# KiCad board rev6.0_flat_powerstage.kicad_pcb (continued)
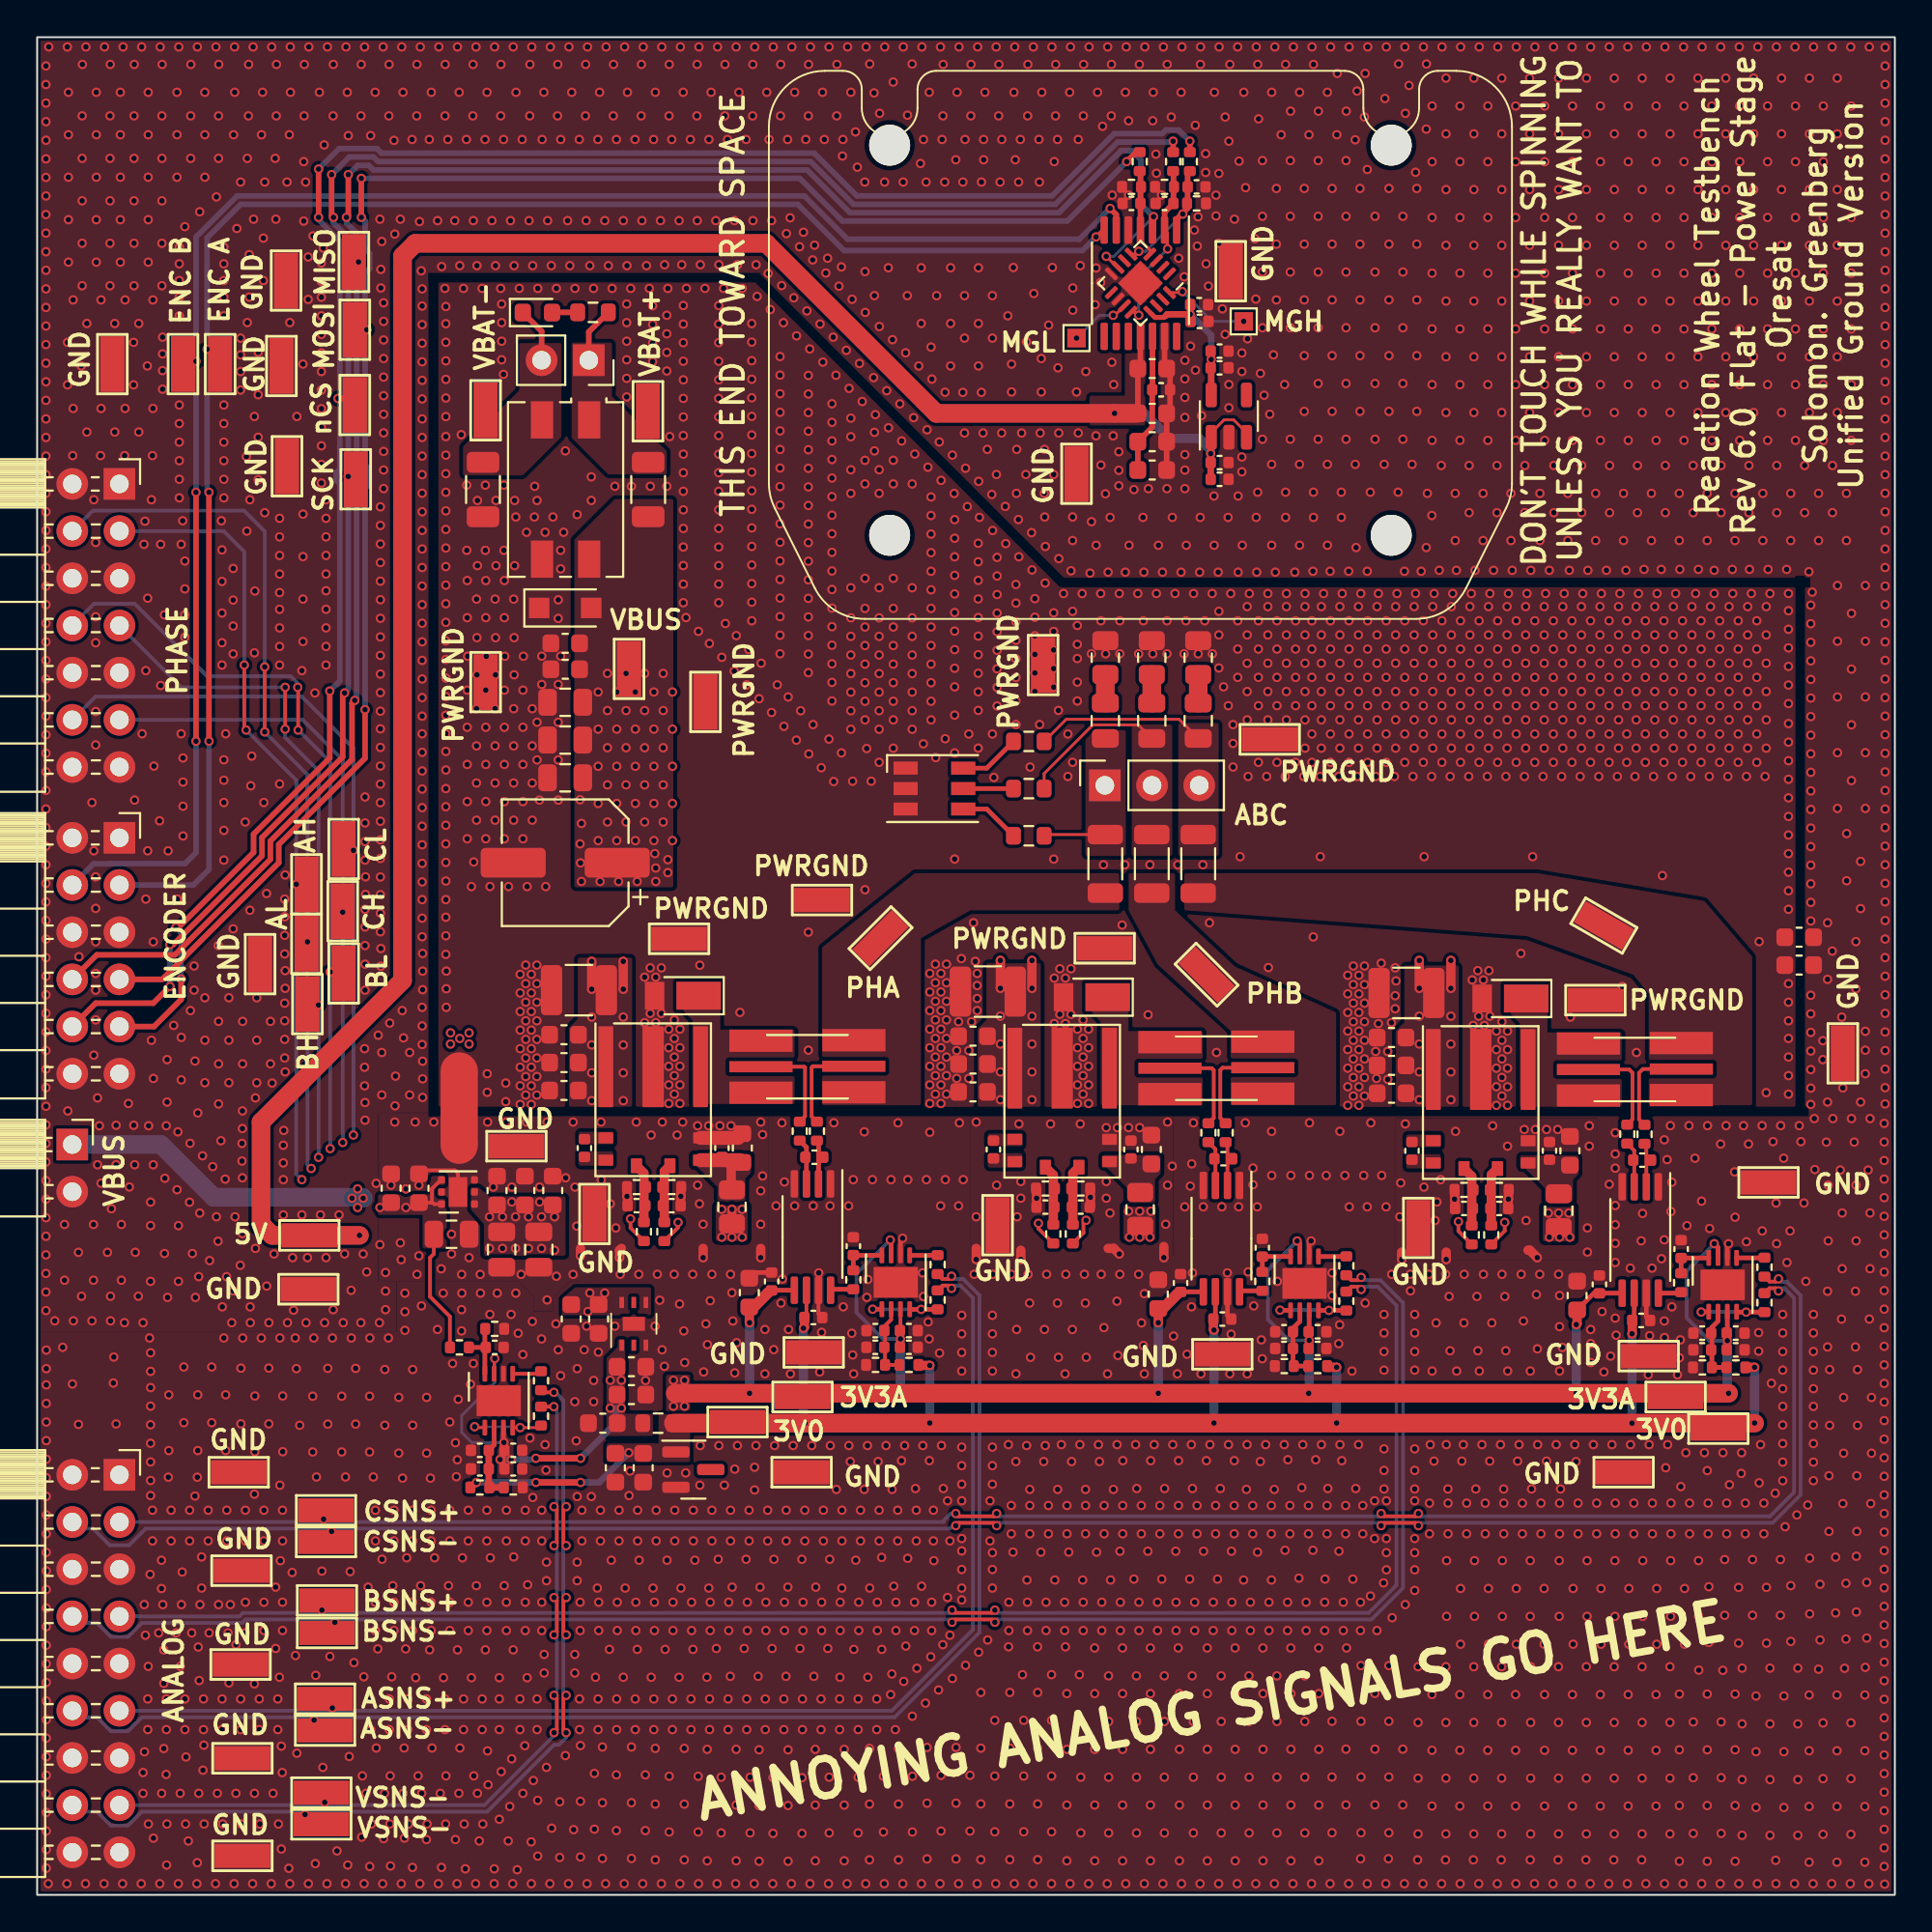
[diagram p0: board, top side]
## Routing (per net, layer and track width the routed paths; a pad name or vN(x,y) marks a point on that pad's centre or on a via; arc(x,y) is an arc through that point) (continued)
v1(36.23,15.75) v1(36.23,14.23) v1(36.32,33.41) v1(36.32,20.7) v1(36.32,19.05) v1(36.53,90.12) v1(36.56,13.26) v1(36.6,0.6) v1(36.62,99.47) v1(36.7,24.18) v1(36.66,18.06) v1(36.7,87.75) v1(36.75,41.4) v1(36.82,6.33) v1(36.82,3.33) v1(36.99,22.05) v1(37.03,98.53) v1(37.01,95.76) v1(37.16,94.49) v1(37.19,10.55) v1(37.19,8.89) v1(37.23,15.75) v1(37.23,14.23) v1(37.35,41.4) v1(37.32,33.41) v1(37.4,32.41) v1(37.32,20.7) v1(37.32,19.05) v1(37.31,11.76) v1(37.45,30.89) v1(37.41,16.56) v1(37.53,90.12) v1(37.55,28.1) v1(37.55,22.91) v1(37.6,0.6) v1(37.62,99.47) v1(37.65,29.72) v1(37.7,24.18) v1(37.63,7.83) v1(37.63,4.83) v1(37.63,1.83) v1(37.78,97.03) v1(37.7,87.75) v1(38.06,13.26) v1(38.16,94.49) v1(38.16,18.06) v1(38.19,10.55) v1(38.19,8.89) v1(38.23,15.75) v1(38.23,14.23) v1(38.32,20.7) v1(38.32,19.05) v1(38.38,6.33) v1(38.38,3.33) v1(38.53,98.53) v1(38.51,95.76) v1(38.53,90.12) v1(38.6,0.6) v1(38.62,99.47) v1(38.7,24.18) v1(38.62,23.02) v1(38.62,21.8) v1(38.7,87.75) v1(38.81,11.76) v1(38.86,7.81) v1(38.86,4.81) v1(38.86,1.81) v1(38.95,41.6) v1(38.95,37.9) v1(38.95,36.1) v1(38.91,16.56) v1(39.05,40.92) v1(39.05,38.7) v1(39.18,30.43) v1(39.18,28.05) v1(39.19,10.55) v1(39.19,8.89) v1(39.28,97.03) v1(39.23,15.75) v1(39.23,14.23) v1(39.4,94.49) v1(39.35,87.28) v1(39.32,20.7) v1(39.32,19.05) v1(39.53,90.12) v1(39.56,13.26) v1(39.6,0.6) v1(39.62,99.47) v1(39.65,29.35) v1(39.7,24.18) v1(39.66,18.06) v1(39.61,6.31) v1(39.61,3.31) v1(39.78,37.09) v1(40.03,98.53) v1(40.01,95.76) v1(40.08,86.62) v1(40.09,41.56) v1(40.04,31.86) v1(40.12,33.15) v1(40.19,10.55) v1(40.19,8.89) v1(40.22,38.38) v1(40.23,15.75) v1(40.23,14.23) v1(40.4,94.49) v1(40.33,89.42) v1(40.32,20.7) v1(40.32,19.05) v1(40.31,11.76) v1(40.45,30.43) v1(40.41,16.56) v1(40.42,7.81) v1(40.42,4.81) v1(40.42,1.81) v1(40.53,90.28) v1(40.55,28.05) v1(40.6,0.6) v1(40.62,99.47) v1(40.7,24.18) v1(40.78,97.03) v1(40.73,85.97) v1(40.78,37.09) v1(41.04,88.72) v1(41.06,13.26) v1(41.16,18.06) v1(41.19,10.55) v1(41.19,8.89) v1(41.17,6.31) v1(41.17,3.31) v1(41.25,89.5) v1(41.23,15.75) v1(41.23,14.23) v1(41.37,94.49) v1(41.32,20.7) v1(41.32,19.05) v1(41.44,85.26) v1(41.53,98.53) v1(41.51,95.76) v1(41.6,0.6) v1(41.62,99.47) v1(41.7,24.18) v1(41.75,88.01) v1(41.78,37.09) v1(41.85,88.8) v1(41.81,11.76) v1(41.88,7.83) v1(41.88,4.83) v1(41.88,1.83) v1(41.91,16.56) v1(42.07,33.48) v1(42.14,84.56) v1(42.12,28.15) v1(42.19,10.55) v1(42.19,8.89) v1(42.28,97.03) v1(42.23,30.28) v1(42.23,15.75) v1(42.23,14.23) v1(42.37,94.49) v1(42.32,20.7) v1(42.32,19.05) v1(42.45,87.3) v1(42.55,88.1) v1(42.56,13.26) v1(42.6,0.6) v1(42.62,99.47) v1(42.68,37.09) v1(42.7,24.18) v1(42.66,18.06) v1(42.63,6.33) v1(42.63,3.33) v1(42.85,83.85) v1(42.89,41.56) v1(43.05,98.53) v1(43.04,95.76) v1(43.02,21.82) v1(43.16,86.6) v1(43.19,10.55) v1(43.19,8.89) v1(43.29,87.63) v1(43.23,15.75) v1(43.23,14.23) v1(43.21,11.71) v1(43.37,94.49) v1(43.35,93.6) v1(43.39,31.65) v1(43.32,20.7) v1(43.32,19.05) v1(43.32,16.51) v1(43.44,7.83) v1(43.44,4.83) v1(43.44,1.83) v1(43.56,83.14) v1(43.6,0.6) v1(43.62,99.47) v1(43.68,37.09) v1(43.7,24.18) v1(43.8,97.03) v1(43.77,23.32) v1(43.87,85.89) v1(43.85,30.23) v1(43.93,38.5) v1(43.9,29.06) v1(43.95,28.05) v1(43.96,13.21) v1(44.05,94.9) v1(44.07,18.01) v1(44.15,93) v1(44.19,10.55) v1(44.19,8.89) v1(44.19,6.33) v1(44.19,3.33) v1(44.26,82.44) v1(44.23,15.75) v1(44.23,14.23) v1(44.32,20.7) v1(44.32,19.05) v1(44.55,92.2) v1(44.56,87.38) v1(44.58,85.18) v1(44.53,41.08) v1(44.52,21.82) v1(44.6,0.6) v1(44.62,99.47) v1(44.66,32.16) v1(44.7,24.18) v1(44.71,33.13) v1(44.71,11.71) v1(44.82,98.56) v1(44.82,16.51) v1(44.81,7.88) v1(44.81,4.88) v1(44.81,1.88) v1(44.96,38.5) v1(45.05,97) v1(45.07,86.09) v1(45.02,81.68) v1(45.19,10.55) v1(45.19,8.89) v1(45.27,23.32) v1(45.23,15.75) v1(45.23,14.23) v1(45.35,95.9) v1(45.34,84.42) v1(45.32,20.7) v1(45.32,19.05) v1(45.46,18.17) v1(45.46,13.21) v1(45.56,6.38) v1(45.56,3.38) v1(45.6,0.6) v1(45.62,99.47) v1(45.62,92.2) v1(45.7,24.18) v1(45.73,80.97) v1(45.82,87.59) v1(45.96,38.5) v1(45.94,10.78) v1(46.08,97.58) v1(46.04,83.71) v1(46.02,21.82) v1(46.01,11.89) v1(46.11,16.62) v1(46.19,8.89) v1(46.23,15.75) v1(46.23,14.23) v1(46.34,41.56) v1(46.32,20.7) v1(46.32,19.05) v1(46.37,7.88) v1(46.37,4.88) v1(46.37,1.88) v1(46.44,80.26) v1(46.53,23.37) v1(46.6,0.6) v1(46.62,99.47) v1(46.62,92.2) v1(46.7,24.18) v1(46.65,11.49) v1(46.75,83.01) v1(46.76,13.39) v1(46.85,95.8) v1(46.84,86.09) v1(46.87,38.5) v1(46.86,18.12) v1(47.1,98.56) v1(47.18,79.52) v1(47.11,9.61) v1(47.12,6.38) v1(47.12,3.38) v1(47.28,21.87) v1(47.23,15.75) v1(47.23,14.23) v1(47.32,20.7) v1(47.32,19.05) v1(47.36,12.2) v1(47.46,82.3) v1(47.55,93.2) v1(47.59,87.59) v1(47.59,84.59) v1(47.6,0.6) v1(47.62,99.47) v1(47.66,33.48) v1(47.68,24.18) v1(47.61,16.62) v1(47.71,94.49) v1(47.71,32.21) v1(47.85,92.2) v1(47.87,38.5) v1(47.82,10.32) v1(47.91,78.86) v1(47.97,30.84) v1(47.9,7.93) v1(47.9,4.93) v1(47.9,1.93) v1(48.02,97.03) v1(48.05,41.05) v1(48.02,29.93) v1(48.03,23.37) v1(48.12,83.32) v1(48.16,81.59) v1(48.15,15.75) v1(48.15,14.23) v1(48.1,12.81) v1(48.25,20.7) v1(48.25,19.05) v1(48.27,17.99) v1(48.42,86.09) v1(48.56,78.21) v1(48.58,29.16) v1(48.52,11.03) v1(48.6,0.6) v1(48.62,99.47) v1(48.64,37.09) v1(48.68,24.18) v1(48.65,6.43) v1(48.65,3.43) v1(48.77,98.53) v1(48.76,95.76) v1(48.71,94.49) v1(48.78,21.87) v1(48.75,13.47) v1(48.85,92.2) v1(48.87,80.89) v1(48.88,38.5) v1(49.01,21.21) v1(49.01,16.01) v1(49.17,87.59) v1(49.17,84.59) v1(49.17,82.3) v1(49.13,19.05) v1(49.13,13.97) v1(49.27,77.5) v1(49.27,11.65) v1(49.45,93.4) v1(49.46,7.93) v1(49.46,4.93) v1(49.46,1.93) v1(49.52,97.03) v1(49.6,0.6) v1(49.62,99.47) v1(49.64,41.56) v1(49.6,37.09) v1(49.77,31.2) v1(49.77,30.2) v1(49.77,29.2) v1(49.77,28.2) v1(49.77,24.1) v1(49.77,23.1) v1(49.77,22.1) v1(49.77,21.21) v1(49.77,19.18) v1(49.77,18.51) v1(49.77,17.51) v1(49.77,16.51) v1(49.77,15.88) v1(49.83,92.2) v1(49.83,80.88) v1(49.85,38.5) v1(49.95,94.49) v1(49.92,86.09) v1(49.92,83.8) v1(49.92,78.69) v1(49.97,76.8) v1(49.98,12.35) v1(50.27,98.53) v1(50.26,95.76) v1(50.21,6.43) v1(50.21,3.43) v1(50.44,33.41) v1(50.55,41.6) v1(50.55,36.5) v1(50.6,0.6) v1(50.62,99.47) v1(50.67,87.59) v1(50.67,84.59) v1(50.67,82.3) v1(50.68,76.09) v1(50.68,13.06) v1(50.8,10.89) v1(50.8,7.89) v1(50.8,4.89) v1(50.8,1.89) v1(50.83,92.2) v1(50.83,80.88) v1(50.95,94.49) v1(50.95,93.4) v1(50.92,78.69) v1(51.02,97.03) v1(51.15,77.81) v1(51.17,13.72) v1(51.29,21.21) v1(51.29,19.05) v1(51.39,75.38) v1(51.42,86.09) v1(51.42,83.8) v1(51.44,33.41) v1(51.42,31.2) v1(51.42,30.2) v1(51.42,29.2) v1(51.42,28.2) v1(51.42,24.1) v1(51.42,23.1) v1(51.42,22.1) v1(51.42,18.42) v1(51.42,17.51) v1(51.42,16.51) v1(51.55,9.39) v1(51.55,6.39) v1(51.55,3.39) v1(51.6,0.6) v1(51.62,99.47) v1(51.64,76.46) v1(51.65,38.2) v1(51.77,98.53) v1(51.76,95.76) v1(51.83,92.2) v1(51.93,94.49) v1(51.92,78.69) v1(52.11,74.74) v1(52.25,85) v1(52.28,24.24) v1(52.29,13.35) v1(52.31,15.75) v1(52.31,14.23) v1(52.36,10.89) v1(52.36,7.89) v1(52.36,4.89) v1(52.36,1.89) v1(52.45,82.4) v1(52.45,80.9) v1(52.44,33.41) v1(52.44,20.96) v1(52.44,19.44) v1(52.58,97.03) v1(52.55,87.6) v1(52.53,18.45) v1(52.6,0.6) v1(52.62,99.47) v1(52.65,93.4) v1(52.69,28.05) v1(52.68,23.32) v1(52.73,77.81) v1(52.71,75.44) v1(52.75,36.5) v1(52.72,30.43) v1(52.83,92.2) v1(52.82,74.03) v1(52.85,41.5) v1(52.93,94.49) v1(52.99,78.69) v1(52.95,38.4) v1(52.95,37.5) v1(53.04,11.85) v1(53.11,9.39) v1(53.11,6.39) v1(53.11,3.39) v1(53.25,83.6) v1(53.22,76.46) v1(53.26,24.18) v1(53.28,16.95) v1(53.33,98.53) v1(53.32,95.76) v1(53.34,33.41) v1(53.31,15.75) v1(53.31,14.23) v1(53.42,31.86) v1(53.47,28.93) v1(53.43,21.82) v1(53.44,20.96) v1(53.44,19.44) v1(53.53,73.33) v1(53.6,0.6) v1(53.62,99.47) v1(53.65,86.2) v1(53.85,13.35) v1(53.86,10.89) v1(53.86,7.89) v1(53.86,4.89) v1(53.86,1.89) v1(53.93,94.49) v1(53.95,92.2) v1(53.99,78.69) v1(54.08,97.03) v1(54.05,82.7) v1(54.05,80.9) v1(54.03,18.45) v1(54.18,23.32) v1(54.23,77.81) v1(54.21,75.44) v1(54.24,74.17) v1(54.27,72.58) v1(54.22,30.43) v1(54.26,24.18) v1(54.34,33.41) v1(54.31,15.75) v1(54.31,14.23) v1(54.45,84.5) v1(54.44,20.96) v1(54.44,19.44) v1(54.55,41.5) v1(54.6,0.6) v1(54.62,99.47) v1(54.65,87.6) v1(54.6,11.85) v1(54.61,9.39) v1(54.61,6.39) v1(54.61,3.39) v1(54.75,93.3) v1(54.72,76.46) v1(54.78,16.95) v1(54.83,98.53) v1(54.82,95.76) v1(54.93,94.49) v1(54.95,82.2) v1(54.99,78.69) v1(55,71.93) v1(54.92,31.86) v1(54.97,28.93) v1(54.93,21.82) v1(55.13,24.24) v1(55.37,33.41) v1(55.33,28.05) v1(55.31,15.75) v1(55.31,14.23) v1(55.35,13.35) v1(55.44,20.96) v1(55.44,19.44) v1(55.43,10.83) v1(55.43,7.83) v1(55.43,4.83) v1(55.43,1.83) v1(55.58,97.03) v1(55.53,18.45) v1(55.6,0.6) v1(55.62,99.47) v1(55.65,71.28) v1(55.68,23.32) v1(55.75,86.5) v1(55.75,85.3) v1(55.74,74.17) v1(55.74,72.9) v1(55.72,30.43) v1(55.95,80.9) v1(56.04,94.49) v1(56.04,78.69) v1(56.15,87.7) v1(56.15,41.5) v1(56.13,24.24) v1(56.1,11.85) v1(56.18,9.33) v1(56.18,6.33) v1(56.18,3.33) v1(56.28,16.95) v1(56.33,98.53) v1(56.32,95.76) v1(56.37,33.41) v1(56.31,15.75) v1(56.31,14.23) v1(56.45,82) v1(56.42,31.86) v1(56.47,28.93) v1(56.43,21.82) v1(56.44,20.96) v1(56.44,19.44) v1(56.6,0.6) v1(56.62,99.47) v1(56.67,71.15) v1(56.75,73.92) v1(56.95,85.6) v1(57,78.54) v1(56.92,13.29) v1(56.93,10.83) v1(56.93,7.83) v1(56.93,4.83) v1(56.93,1.83) v1(57.08,97.03) v1(57,87.58) v1(57.01,72.65) v1(57.03,18.45) v1(57.13,24.24) v1(57.18,23.32) v1(57.25,86.8) v1(57.26,76.97) v1(57.28,33.41) v1(57.35,95.2) v1(57.31,15.75) v1(57.31,14.23) v1(57.43,30.54) v1(57.44,20.96) v1(57.44,19.44) v1(57.5,75.42) v1(57.55,41.3) v1(57.55,38.4) v1(57.55,37.5) v1(57.6,0.6) v1(57.62,99.47) v1(57.65,71.2) v1(57.62,28.05) v1(57.67,11.79) v1(57.68,9.33) v1(57.68,6.33) v1(57.68,3.33) v1(57.76,74.15) v1(57.75,36.7) v1(57.78,16.95) v1(57.83,98.53) v1(57.82,95.76) v1(57.87,91.49) v1(57.85,82.5) v1(57.95,81.3) v1(57.92,78.54) v1(57.93,21.82) v1(58.15,41.3) v1(58.13,31.96) v1(58.18,29.04) v1(58.13,24.24) v1(58.23,77.68) v1(58.23,76.68) v1(58.23,75.85) v1(58.28,33.41) v1(58.29,18.5) v1(58.31,15.75) v1(58.31,14.23) v1(58.44,23.37) v1(58.44,20.96) v1(58.44,19.44) v1(58.42,13.29) v1(58.43,10.83) v1(58.43,7.83) v1(58.43,4.83) v1(58.43,1.83) v1(58.58,97.03) v1(58.58,71.2) v1(58.6,0.6) v1(58.62,99.47) v1(58.75,95.5) v1(58.75,91.5) v1(58.78,72.65) v1(58.75,41.3) v1(59.04,75.65) v1(59.04,17) v1(59.13,24.24) v1(59.19,21.87) v1(59.17,11.79) v1(59.18,9.33) v1(59.18,6.33) v1(59.18,3.33) v1(59.29,33.41) v1(59.33,98.53) v1(59.35,41.3) v1(59.31,15.75) v1(59.31,14.23) v1(59.45,30.79) v1(59.44,20.96) v1(59.44,19.44) v1(59.53,74.15) v1(59.58,71.2) v1(59.6,32.36) v1(59.55,29.57) v1(59.6,28.05) v1(59.6,0.6) v1(59.62,99.47) v1(59.79,18.5) v1(59.82,75.7) v1(59.94,23.37) v1(59.92,13.29) v1(59.93,10.83) v1(59.93,7.83) v1(59.93,4.83) v1(59.93,1.83) v1(60.08,97.03) v1(60.05,95.5) v1(60.13,24.24) v1(60.22,93.7) v1(60.25,92.67) v1(60.36,72.65) v1(60.31,15.75) v1(60.31,14.23) v1(60.44,20.96) v1(60.44,19.44) v1(60.53,91.5) v1(60.58,71.2) v1(60.54,17) v1(60.6,0.6) v1(60.62,99.47) v1(60.69,21.87) v1(60.67,11.79) v1(60.68,9.33) v1(60.68,6.33) v1(60.68,3.33) v1(60.75,36.1) v1(60.83,98.53) v1(60.82,75.7) v1(60.85,41.6) v1(60.85,38.2) v1(61.05,95.7) v1(61.1,39.23) v1(61.11,74.15) v1(61.17,30.08) v1(61.13,24.24) v1(61.29,18.5) v1(61.38,28.05) v1(61.31,15.75) v1(61.31,14.23) v1(61.45,88.1) v1(61.44,23.37) v1(61.44,20.96) v1(61.44,19.44) v1(61.42,13.29) v1(61.49,10.83) v1(61.49,7.83) v1(61.49,4.83) v1(61.49,1.83) v1(61.58,97.03) v1(61.58,71.2) v1(61.6,0.6) v1(61.62,99.47) v1(61.75,87.1) v1(61.78,82.6) v1(61.78,81.6) v1(61.78,80.6) v1(61.78,79.53) v1(61.78,77.53) v1(61.78,76.7) v1(61.78,75.7) v1(61.77,37.04) v1(61.86,72.65) v1(61.9,29.1) v1(62.09,83.37) v1(62.08,38.15) v1(62.04,17) v1(62.15,39.35) v1(62.19,33.48) v1(62.14,31.65) v1(62.13,24.24) v1(62.19,21.87) v1(62.17,11.79) v1(62.29,89.62) v1(62.24,41.56) v1(62.24,9.33) v1(62.24,6.33) v1(62.24,3.33) v1(62.34,95.25) v1(62.35,82.08) v1(62.31,15.75) v1(62.31,14.23) v1(62.49,90.33) v1(62.45,88.75) v1(62.44,20.96) v1(62.44,19.44) v1(62.58,71.2) v1(62.6,0.6) v1(62.62,99.47) v1(62.62,98.53) v1(62.67,79.62) v1(62.61,74.15) v1(62.65,28.05) v1(62.77,37.04) v1(62.79,18.5) v1(62.9,93.73) v1(62.9,92.71) v1(62.92,87.8) v1(62.94,23.37) v1(62.98,13.29) v1(62.99,10.83) v1(62.99,7.83) v1(62.99,4.83) v1(62.99,1.83) v1(63.05,86.6) v1(63.13,24.24) v1(63.37,97.03) v1(63.35,75.3) v1(63.36,72.65) v1(63.31,15.75) v1(63.31,14.23) v1(63.46,91.49) v1(63.46,90.38) v1(63.44,20.96) v1(63.44,19.44) v1(63.58,71.2) v1(63.54,17) v1(63.6,0.6) v1(63.62,99.47) v1(63.61,92.66) v1(63.61,88.9) v1(63.69,21.87) v1(63.8,85.38) v1(63.77,37.04) v1(63.73,11.79) v1(63.74,9.33) v1(63.74,6.33) v1(63.74,3.33) v1(63.95,95.7) v1(63.95,84) v1(64.07,33.48) v1(64.15,94.4) v1(64.15,81.3) v1(64.15,80.05) v1(64.11,74.15) v1(64.13,24.24) v1(64.2,98.53) v1(64.27,30.18) v1(64.2,28.05) v1(64.29,18.5) v1(64.31,15.75) v1(64.31,14.23) v1(64.45,90.2) v1(64.44,23.37) v1(64.44,20.96) v1(64.44,19.44) v1(64.48,13.29) v1(64.49,10.83) v1(64.49,7.83) v1(64.49,4.83) v1(64.49,1.83) v1(64.6,0.6) v1(64.62,99.47) v1(64.65,75.3) v1(64.65,71.2) v1(64.68,37.04) v1(64.7,93.33) v1(64.85,83) v1(64.85,82) v1(64.85,77.4) v1(64.85,76.6) v1(64.87,72.65) v1(64.95,97.03) v1(64.94,16.95) v1(65.05,91.9) v1(65.03,41.56) v1(65.09,21.82) v1(65.15,83.76) v1(65.19,33.53) v1(65.14,28.05) v1(65.13,24.24) v1(65.23,11.79) v1(65.24,9.33) v1(65.24,6.33) v1(65.24,3.33) v1(65.31,15.75) v1(65.31,14.23) v1(65.45,39.12) v1(65.45,38.23) v1(65.49,31.7) v1(65.44,20.96) v1(65.44,19.44) v1(65.55,89.15) v1(65.6,85.9) v1(65.6,0.6) v1(65.62,99.47) v1(65.62,74.15) v1(65.65,71.2) v1(65.68,37.04) v1(65.69,18.45) v1(65.7,98.53) v1(65.75,95.6) v1(65.7,75.5) v1(65.85,81.9) v1(65.9,29.87) v1(65.84,23.32) v1(65.96,93.36) v1(65.96,90.36) v1(65.96,87.36) v1(65.96,84.36) v1(65.96,78.36) v1(65.95,28.86) v1(65.98,13.29) v1(65.99,10.83) v1(65.99,7.83) v1(65.99,4.83) v1(65.99,1.83) v1(66.05,80.72) v1(66.13,24.24) v1(66.35,79.7) v1(66.31,15.75) v1(66.31,14.23) v1(66.45,97.03) v1(66.45,77) v1(66.45,72.65) v1(66.45,41.1) v1(66.46,38.73) v1(66.44,20.96) v1(66.44,19.44) v1(66.44,16.95) v1(66.55,82.9) v1(66.59,21.82) v1(66.6,0.6) v1(66.62,99.47) v1(66.65,71.2) v1(66.71,91.86) v1(66.71,88.86) v1(66.71,85.86) v1(66.76,33.02) v1(66.73,11.79) v1(66.74,9.33) v1(66.74,6.33) v1(66.74,3.33) v1(66.96,94.75) v1(67.15,81.3) v1(67.13,24.24) v1(67.17,18.55) v1(67.2,98.53) v1(67.2,75.5) v1(67.2,74.15) v1(67.32,23.42) v1(67.31,15.75) v1(67.31,14.23) v1(67.47,96.02) v1(67.46,93.36) v1(67.46,90.36) v1(67.46,87.36) v1(67.46,84.36) v1(67.46,78.36) v1(67.49,38.73) v1(67.44,20.96) v1(67.44,19.44) v1(67.48,13.29) v1(67.49,10.83) v1(67.49,7.83) v1(67.49,4.83) v1(67.49,1.83) v1(67.6,0.6) v1(67.62,99.47) v1(67.7,71.2) v1(67.95,97.03) v1(67.95,77) v1(67.95,72.65) v1(67.92,17.05) v1(68.07,21.92) v1(68.13,24.24) v1(68.21,91.86) v1(68.21,88.86) v1(68.21,85.86) v1(68.21,82.86) v1(68.21,79.86) v1(68.23,11.79) v1(68.24,9.33) v1(68.24,6.33) v1(68.24,3.33) v1(68.31,15.75) v1(68.31,14.23) v1(68.46,94.75) v1(68.49,41.56) v1(68.49,38.73) v1(68.44,20.96) v1(68.44,19.44) v1(68.6,0.6) v1(68.62,99.47) v1(68.67,71.25) v1(68.67,18.55) v1(68.7,98.53) v1(68.7,75.5) v1(68.7,74.15) v1(68.82,23.42) v1(68.97,96.02) v1(68.96,93.36) v1(68.96,90.36) v1(68.96,87.36) v1(68.96,84.36) v1(68.96,81.36) v1(68.96,78.36) v1(68.98,13.29) v1(68.99,10.83) v1(68.99,7.83) v1(68.99,4.83) v1(68.99,1.83) v1(69.13,24.24) v1(69.39,38.73) v1(69.33,17) v1(69.31,15.75) v1(69.31,14.23) v1(69.45,97.03) v1(69.45,77) v1(69.45,72.65) v1(69.48,21.87) v1(69.44,20.96) v1(69.44,19.44) v1(69.6,71.25) v1(69.6,0.6) v1(69.62,99.47) v1(69.71,91.86) v1(69.71,88.86) v1(69.71,85.86) v1(69.71,82.86) v1(69.71,79.86) v1(69.71,33.48) v1(69.71,32.26) v1(69.7,9.34) v1(69.7,6.34) v1(69.7,3.34) v1(69.99,98.05) v1(69.96,94.75) v1(70.06,29.67) v1(70.08,18.5) v1(70.12,41.1) v1(70.11,30.69) v1(70.13,24.24) v1(70.2,75.5) v1(70.2,74.15) v1(70.23,23.37) v1(70.39,38.73) v1(70.31,15.75) v1(70.31,14.23) v1(70.47,96.02) v1(70.46,93.36) v1(70.46,90.36) v1(70.46,87.36) v1(70.46,84.36) v1(70.46,81.36) v1(70.46,78.36) v1(70.44,20.96) v1(70.44,19.44) v1(70.48,13.29) v1(70.45,10.84) v1(70.45,7.84) v1(70.45,4.84) v1(70.6,71.25) v1(70.6,0.6) v1(70.62,99.47) v1(70.63,37.04) v1(70.77,28.2) v1(70.83,17) v1(70.95,94.47) v1(70.95,77) v1(70.98,21.87) v1(71.05,97.1) v1(71,72.53) v1(71.13,24.24) v1(71.21,91.86) v1(71.21,88.86) v1(71.21,85.86) v1(71.21,82.86) v1(71.21,79.86) v1(71.23,15.75) v1(71.23,14.23) v1(71.26,12.34) v1(71.26,9.34) v1(71.26,6.34) v1(71.26,3.34) v1(71.24,1.95) v1(71.36,20.96) v1(71.36,19.44) v1(71.49,98.05) v1(71.45,95.7) v1(71.41,38.73) v1(71.49,31.86) v1(71.6,92.88) v1(71.6,71.25) v1(71.6,37.04) v1(71.6,0.6) v1(71.62,99.47) v1(71.76,75.5) v1(71.79,41.56) v1(71.77,16.09) v1(71.99,21.21) v1(71.99,19.18) v1(72.02,90.36) v1(72.02,87.36) v1(72.02,84.36) v1(72.02,81.36) v1(72.02,78.36) v1(72.01,10.84) v1(72.01,7.84) v1(72.01,4.84) v1(72.12,14.23) v1(72.38,38.73) v1(72.48,16.79) v1(72.55,96.7) v1(72.51,77) v1(72.5,31.25) v1(72.5,30.25) v1(72.5,29.25) v1(72.5,28.25) v1(72.5,24.01) v1(72.5,22.85) v1(72.5,21.85) v1(72.6,0.6) v1(72.62,99.47) v1(72.61,37.04) v1(72.63,21.21) v1(72.63,19.18) v1(72.63,18.42) v1(72.63,17.5) v1(72.77,91.86) v1(72.77,88.86) v1(72.77,85.86) v1(72.77,82.86) v1(72.77,79.86) v1(72.76,12.34) v1(72.76,9.34) v1(72.76,6.34) v1(72.76,3.34) v1(72.74,1.95) v1(72.92,33.41) v1(72.94,14.92) v1(73.29,98.56) v1(73.26,75.5) v1(73.35,36.5) v1(73.4,38.33) v1(73.52,90.36) v1(73.52,87.36) v1(73.52,84.36) v1(73.52,81.36) v1(73.52,78.36) v1(73.6,71.25) v1(73.51,10.84) v1(73.51,7.84) v1(73.51,4.84) v1(73.6,0.6) v1(73.62,99.47) v1(73.65,95.9) v1(73.65,41.5) v1(73.64,15.62) v1(73.85,97.4) v1(73.92,33.41) v1(73.92,32.52) v1(74.01,77) v1(74.15,31.25) v1(74.15,30.25) v1(74.15,29.25) v1(74.15,28.25) v1(74.15,24.01) v1(74.15,22.85) v1(74.15,21.85) v1(74.15,21.21) v1(74.15,19.18) v1(74.15,18.42) v1(74.15,17.5) v1(74.15,16.39) v1(74.2,92.72) v1(74.27,91.86) v1(74.27,88.86) v1(74.27,85.86) v1(74.27,82.86) v1(74.27,79.86) v1(74.33,12.28) v1(74.33,9.28) v1(74.33,6.28) v1(74.33,3.28) v1(74.31,1.88) v1(74.5,71.25) v1(74.6,0.6) v1(74.62,99.47) v1(74.65,38.1) v1(74.79,98.56) v1(74.78,95.05) v1(74.78,72.53) v1(74.83,75.44) v1(74.92,33.41) v1(74.99,24.24) v1(74.95,21.09) v1(74.95,19.44) v1(75.09,96.29) v1(75.09,93.29) v1(75.09,90.29) v1(75.09,87.29) v1(75.09,84.29) v1(75.09,81.29) v1(75.09,78.29) v1(75.08,74.25) v1(75.09,28.2) v1(75.08,10.78) v1(75.08,7.78) v1(75.08,4.78) v1(75.19,23.35) v1(75.25,36.3) v1(75.35,37.3) v1(75.31,30.79) v1(75.47,71.3) v1(75.58,76.94) v1(75.55,38.5) v1(75.6,0.6) v1(75.62,99.47) v1(75.84,97.79) v1(75.84,94.79) v1(75.84,91.79) v1(75.84,88.79) v1(75.84,85.79) v1(75.84,82.79) v1(75.84,79.79) v1(75.82,33.41) v1(75.85,24.24) v1(75.87,17.99) v1(75.87,14.99) v1(75.83,12.28) v1(75.83,9.28) v1(75.83,6.28) v1(75.83,3.28) v1(75.81,1.88) v1(75.94,21.85) v1(75.95,21.09) v1(75.95,19.44) v1(76,32.21) v1(76.06,29.29) v1(76.33,75.44) v1(76.33,72.9) v1(76.35,41.1) v1(76.4,71.3) v1(76.41,28.2) v1(76.59,96.29) v1(76.59,93.29) v1(76.59,90.29) v1(76.59,87.29) v1(76.59,84.29) v1(76.59,81.29) v1(76.59,78.29) v1(76.58,10.78) v1(76.58,7.78) v1(76.58,4.78) v1(76.6,0.6) v1(76.62,99.47) v1(76.69,23.35) v1(76.62,16.49) v1(76.62,13.49) v1(76.77,24.24) v1(76.82,33.41) v1(76.81,30.79) v1(76.95,21.09) v1(76.95,19.44) v1(77.08,76.94) v1(77.08,74.4) v1(77.34,97.79) v1(77.34,94.79) v1(77.34,91.79) v1(77.34,88.79) v1(77.34,85.79) v1(77.34,82.79) v1(77.34,79.79) v1(77.37,17.99) v1(77.37,14.99) v1(77.33,12.28) v1(77.33,9.28) v1(77.33,6.28) v1(77.33,3.28) v1(77.31,1.88) v1(77.4,71.3) v1(77.44,21.85) v1(77.5,32.21) v1(77.56,29.29) v1(77.6,0.6) v1(77.62,99.47) v1(77.63,28.2) v1(77.77,24.24) v1(77.83,75.44) v1(77.83,72.9) v1(77.85,33.41) v1(77.95,21.09) v1(77.95,19.44) v1(78.09,96.29) v1(78.09,93.29) v1(78.09,90.29) v1(78.09,87.29) v1(78.09,84.29) v1(78.09,81.29) v1(78.09,78.29) v1(78.08,10.78) v1(78.08,7.78) v1(78.08,4.78) v1(78.19,23.35) v1(78.12,16.49) v1(78.12,13.49) v1(78.35,41.4) v1(78.31,30.79) v1(78.4,71.3) v1(78.58,76.94) v1(78.58,74.4) v1(78.6,0.6) v1(78.62,99.47) v1(78.77,24.24) v1(78.84,97.79) v1(78.84,94.79) v1(78.84,91.79) v1(78.84,88.79) v1(78.84,85.79) v1(78.84,82.79) v1(78.84,79.79) v1(78.85,33.41) v1(78.87,17.99) v1(78.87,14.99) v1(78.83,12.28) v1(78.83,9.28) v1(78.83,6.28) v1(78.83,3.28) v1(78.81,1.88) v1(78.94,21.85) v1(78.95,21.09) v1(78.95,19.44) v1(79,32.21) v1(79.06,29.29) v1(79.15,40.3) v1(79.16,28.2) v1(79.33,75.44) v1(79.33,72.9) v1(79.4,71.3) v1(79.59,96.29) v1(79.59,93.29) v1(79.59,90.29) v1(79.59,87.29) v1(79.59,84.29) v1(79.59,81.29) v1(79.59,78.29) v1(79.58,10.78) v1(79.58,7.78) v1(79.58,4.78) v1(79.6,0.6) v1(79.62,99.47) v1(79.69,23.35) v1(79.62,16.49) v1(79.62,13.49) v1(79.77,24.24) v1(79.88,33.41) v1(79.95,21.09) v1(79.95,19.44) v1(80.08,76.94) v1(80.08,74.4) v1(80.05,41.2) v1(80.01,30.89) v1(80.15,36.3) v1(80.34,97.79) v1(80.34,94.79) v1(80.34,91.79) v1(80.34,88.79) v1(80.34,85.79) v1(80.34,82.79) v1(80.34,79.79) v1(80.38,28.2) v1(80.37,17.99) v1(80.37,14.99) v1(80.39,12.28) v1(80.39,9.28) v1(80.39,6.28) v1(80.39,3.28) v1(80.37,1.88) v1(80.4,71.3) v1(80.44,21.85) v1(80.6,0.6) v1(80.62,99.47) v1(80.65,41.2) v1(80.71,32.31) v1(80.76,29.39) v1(80.77,24.24) v1(80.89,75.44) v1(80.89,72.9) v1(80.88,33.41) v1(80.95,21.09) v1(80.95,19.44) v1(81.15,96.29) v1(81.15,93.29) v1(81.15,90.29) v1(81.15,87.29) v1(81.15,84.29) v1(81.15,81.29) v1(81.15,78.29) v1(81.12,16.49) v1(81.12,13.49) v1(81.14,10.78) v1(81.14,7.78) v1(81.14,4.78) v1(81.25,41.2) v1(81.25,23.35) v1(81.4,71.3) v1(81.6,0.6) v1(81.62,99.47) v1(81.64,76.94) v1(81.64,74.4) v1(81.77,24.24) v1(81.85,41.2) v1(81.89,12.28) v1(81.89,9.28) v1(81.89,6.28) v1(81.89,3.28) v1(81.87,1.88) v1(81.9,97.79) v1(81.9,94.79) v1(81.9,91.79) v1(81.9,88.79) v1(81.9,85.79) v1(81.9,82.79) v1(81.9,79.79) v1(81.9,33.41) v1(81.95,32.26) v1(81.95,30.59) v1(81.95,28.2) v1(81.95,21.09) v1(81.95,19.44) v1(81.93,17.99) v1(81.93,14.99) v1(82,21.85) v1(82.1,29.47) v1(82.39,75.44) v1(82.39,72.9) v1(82.47,71.3) v1(82.6,0.6) v1(82.62,99.47) v1(82.65,96.29) v1(82.65,93.29) v1(82.65,90.29) v1(82.65,87.29) v1(82.65,84.29) v1(82.65,81.29) v1(82.65,78.29) v1(82.68,16.49) v1(82.68,13.49) v1(82.64,10.78) v1(82.64,7.78) v1(82.64,4.78) v1(82.77,24.24) v1(82.84,23.32) v1(82.95,21.09) v1(82.95,19.44) v1(83.14,76.94) v1(83.14,74.4) v1(83.39,12.28) v1(83.39,9.28) v1(83.39,6.28) v1(83.39,3.28) v1(83.37,1.88) v1(83.4,97.79) v1(83.4,94.79) v1(83.4,91.79) v1(83.4,88.79) v1(83.4,85.79) v1(83.4,82.79) v1(83.4,79.79) v1(83.47,71.3) v1(83.45,35.9) v1(83.45,34.6) v1(83.43,17.99) v1(83.43,14.99) v1(83.55,41.4) v1(83.55,40.3) v1(83.6,0.6) v1(83.62,99.47) v1(83.63,30.43) v1(83.63,29.67) v1(83.63,28.66) v1(83.77,24.24) v1(83.89,75.44) v1(83.89,72.9) v1(83.95,21.09) v1(83.95,19.44) v1(84.15,96.29) v1(84.15,93.29) v1(84.15,90.29) v1(84.15,87.29) v1(84.15,84.29) v1(84.15,81.29) v1(84.15,78.29) v1(84.18,16.49) v1(84.18,13.49) v1(84.14,10.78) v1(84.14,7.78) v1(84.14,4.78) v1(84.24,31.4) v1(84.34,28.15) v1(84.47,71.3) v1(84.6,0.6) v1(84.62,99.47) v1(84.64,76.94) v1(84.64,74.4) v1(84.62,38.25) v1(84.7,29) v1(84.77,24.24) v1(84.89,12.28) v1(84.89,9.28) v1(84.89,6.28) v1(84.89,3.28) v1(84.87,1.88) v1(84.9,97.79) v1(84.9,94.79) v1(84.9,91.79) v1(84.9,88.79) v1(84.9,85.79) v1(84.9,82.79) v1(84.9,79.79) v1(84.95,41.02) v1(84.95,39.88) v1(84.95,39.12) v1(84.95,37.1) v1(84.95,36.07) v1(84.95,35.07) v1(84.95,34.04) v1(84.95,31.04) v1(85,30.13) v1(84.95,21.09) v1(84.95,19.44) v1(84.93,17.99) v1(84.93,14.99) v1(85.39,75.44) v1(85.39,72.9) v1(85.53,71.3) v1(85.6,0.6) v1(85.62,99.47) v1(85.65,96.29) v1(85.65,93.29) v1(85.65,90.29) v1(85.65,87.29) v1(85.65,84.29) v1(85.65,81.29) v1(85.65,78.29) v1(85.68,16.49) v1(85.68,13.49) v1(85.64,10.78) v1(85.64,7.78) v1(85.64,4.78) v1(85.76,33.74) v1(85.77,24.24) v1(85.95,21.09) v1(85.95,19.44) v1(86.14,76.94) v1(86.14,74.4) v1(86.34,35.21) v1(86.39,12.28) v1(86.39,9.28) v1(86.39,6.28) v1(86.39,3.28) v1(86.37,1.88) v1(86.4,97.79) v1(86.4,94.79) v1(86.4,91.79) v1(86.4,88.79) v1(86.4,85.79) v1(86.4,82.79) v1(86.4,79.79) v1(86.5,71.35) v1(86.42,36.68) v1(86.43,17.99) v1(86.43,14.99) v1(86.6,0.6) v1(86.62,99.47) v1(86.8,30.1) v1(86.73,27.99) v1(86.77,24.24) v1(86.89,75.44) v1(86.89,72.9) v1(86.93,33.74) v1(86.95,21.09) v1(86.95,19.44) v1(87.15,96.29) v1(87.15,93.29) v1(87.15,90.29) v1(87.15,87.29) v1(87.15,84.29) v1(87.15,81.29) v1(87.15,78.29) v1(87.18,16.49) v1(87.18,13.49) v1(87.14,10.78) v1(87.14,7.78) v1(87.14,4.78) v1(87.42,71.35) v1(87.44,34.24) v1(87.59,40.64) v1(87.59,35.26) v1(87.59,30.89) v1(87.6,30) v1(87.6,0.6) v1(87.62,99.47) v1(87.64,76.94) v1(87.64,74.4) v1(87.67,22.99) v1(87.74,39.58) v1(87.77,24.24) v1(87.89,12.28) v1(87.89,9.28) v1(87.89,6.28) v1(87.89,3.28) v1(87.9,97.79) v1(87.9,94.79) v1(87.9,91.79) v1(87.9,88.79) v1(87.9,85.79) v1(87.9,82.79) v1(87.9,79.79) v1(87.92,41.41) v1(88,38.36) v1(87.95,36.78) v1(88,31.65) v1(87.95,21.09) v1(87.95,19.44) v1(87.93,17.99) v1(87.93,14.99) v1(88.39,75.44) v1(88.39,72.9) v1(88.3,27.99) v1(88.4,10.81) v1(88.4,7.81) v1(88.4,4.81) v1(88.4,1.81) v1(88.42,71.35) v1(88.45,29.87) v1(88.4,28.91) v1(88.48,21.97) v1(88.6,0.6) v1(88.62,99.47) v1(88.65,96.29) v1(88.65,93.29) v1(88.65,90.29) v1(88.65,87.29) v1(88.65,84.29) v1(88.65,81.29) v1(88.65,78.29) v1(88.68,16.49) v1(88.68,13.49) v1(88.75,23.8) v1(88.81,36.02) v1(88.92,41.41) v1(88.95,21.09) v1(88.95,19.44) v1(89.14,76.94) v1(89.14,74.4) v1(89.15,9.31) v1(89.15,6.31) v1(89.15,3.31) v1(89.24,39.65) v1(89.4,97.79) v1(89.4,94.79) v1(89.4,91.79) v1(89.4,88.79) v1(89.4,85.79) v1(89.4,82.79) v1(89.4,79.79) v1(89.43,71.35) v1(89.43,17.99) v1(89.43,14.99) v1(89.44,12.09) v1(89.6,37.34) v1(89.6,0.6) v1(89.62,99.47) v1(89.75,23.8) v1(89.89,75.44) v1(89.89,72.9) v1(89.9,10.81) v1(89.9,7.81) v1(89.9,4.81) v1(89.9,1.81) v1(89.92,41.41) v1(89.9,22.84) v1(89.95,21.09) v1(89.95,19.44) v1(89.99,16.59) v1(89.99,13.59) v1(90.03,35.87) v1(90.15,96.29) v1(90.15,93.29) v1(90.15,90.29) v1(90.15,87.29) v1(90.15,84.29) v1(90.15,81.29) v1(90.15,78.29) v1(90.28,71.3) v1(90.6,0.6) v1(90.62,99.47) v1(90.64,76.94) v1(90.64,74.4) v1(90.62,40.42) v1(90.65,9.31) v1(90.65,6.31) v1(90.65,3.31) v1(90.75,23.8) v1(90.74,12.09) v1(90.84,18.05) v1(90.84,15.05) v1(90.9,97.79) v1(90.9,94.79) v1(90.9,91.79) v1(90.9,88.79) v1(90.9,85.79) v1(90.9,82.79) v1(90.9,79.79) v1(90.92,41.41) v1(90.95,21.09) v1(90.95,19.44) v1(91.09,22.08) v1(91.25,71.35) v1(91.39,75.44) v1(91.39,72.9) v1(91.37,38.92) v1(91.4,36.48) v1(91.4,10.81) v1(91.4,7.81) v1(91.4,4.81) v1(91.4,1.81) v1(91.59,16.55) v1(91.59,13.55) v1(91.6,0.6) v1(91.62,99.47) v1(91.65,96.29) v1(91.65,93.29) v1(91.65,90.29) v1(91.65,87.29) v1(91.65,84.29) v1(91.65,81.29) v1(91.65,78.29) v1(91.75,23.8) v1(91.73,22.69) v1(91.78,12.2) v1(91.78,9.2) v1(91.78,6.2) v1(91.78,3.2) v1(91.85,41.41) v1(91.95,21.09) v1(91.95,19.44) v1(92.01,35.16) v1(92.14,76.94) v1(92.14,74.4) v1(92.18,71.35) v1(92.12,40.42) v1(92.34,18.05) v1(92.34,15.05) v1(92.4,97.79) v1(92.4,94.79) v1(92.4,91.79) v1(92.4,88.79) v1(92.4,85.79) v1(92.4,82.79) v1(92.4,79.79) v1(92.53,10.7) v1(92.53,7.7) v1(92.53,4.7) v1(92.6,0.6) v1(92.62,99.47) v1(92.67,30.26) v1(92.67,29.26) v1(92.69,22.18) v1(92.77,24.24) v1(92.89,75.44) v1(92.89,72.9) v1(92.85,41.41) v1(92.86,35.74) v1(92.95,21.09) v1(92.95,19.44) v1(93.09,16.55) v1(93.09,13.55) v1(93.15,96.29) v1(93.15,93.29) v1(93.15,90.29) v1(93.15,87.29) v1(93.15,84.29) v1(93.15,81.29) v1(93.15,78.29) v1(93.18,71.35) v1(93.28,12.2) v1(93.28,9.2) v1(93.28,6.2) v1(93.28,3.2) v1(93.36,27.54) v1(93.44,40.54) v1(93.56,21.62) v1(93.58,1.86) v1(93.6,0.6) v1(93.62,99.47) v1(93.64,76.94) v1(93.64,74.4) v1(93.61,37.24) v1(93.63,35.06) v1(93.85,41.41) v1(93.84,18.05) v1(93.84,15.05) v1(93.9,97.79) v1(93.9,94.79) v1(93.9,91.79) v1(93.9,88.79) v1(93.9,85.79) v1(93.9,82.79) v1(93.9,79.79) v1(93.97,31.25) v1(93.97,30.25) v1(93.97,29.25) v1(93.97,28.25) v1(93.97,27.25) v1(93.97,26.29) v1(93.97,25.29) v1(93.97,24.29) v1(93.97,23.29) v1(93.97,22.29) v1(94.02,39.65) v1(94.09,19.82) v1(94.03,10.7) v1(94.03,7.7) v1(94.03,4.7) v1(94.18,71.35) v1(94.19,34.04) v1(94.39,75.44) v1(94.39,72.9) v1(94.36,35.74) v1(94.4,16.64) v1(94.4,13.64) v1(94.6,0.6) v1(94.62,99.47) v1(94.65,96.29) v1(94.65,93.29) v1(94.65,90.29) v1(94.65,87.29) v1(94.65,84.29) v1(94.65,81.29) v1(94.65,78.29) v1(94.73,20.45) v1(94.78,12.2) v1(94.78,9.2) v1(94.78,6.2) v1(94.78,3.2) v1(94.85,41.41) v1(94.94,40.54) v1(95.14,76.94) v1(95.14,74.4) v1(95.11,37.24) v1(95.21,33.02) v1(95.38,71.22) v1(95.31,20.98) v1(95.38,10.76) v1(95.38,7.76) v1(95.38,4.76) v1(95.38,1.76) v1(95.4,97.79) v1(95.4,94.79) v1(95.4,91.79) v1(95.4,88.79) v1(95.4,85.79) v1(95.4,82.79) v1(95.4,79.79) v1(95.47,69.42) v1(95.47,68.42) v1(95.47,67.42) v1(95.47,66.42) v1(95.47,65.42) v1(95.47,64.42) v1(95.47,63.42) v1(95.47,62.42) v1(95.47,61.42) v1(95.47,60.42) v1(95.47,59.42) v1(95.47,58.42) v1(95.47,57.42) v1(95.47,56.42) v1(95.47,55.42) v1(95.47,54.42) v1(95.47,53.42) v1(95.47,52.42) v1(95.47,48.42) v1(95.47,47.42) v1(95.47,46.42) v1(95.47,45.42) v1(95.47,44.42) v1(95.47,43.42) v1(95.47,42.55) v1(95.41,18.13) v1(95.41,15.13) v1(95.55,70.12) v1(95.6,0.6) v1(95.62,99.47) v1(95.66,41.79) v1(95.69,39.04) v1(95.62,31.25) v1(95.62,30.25) v1(95.62,29.25) v1(95.62,28.25) v1(95.62,27.25) v1(95.62,26.29) v1(95.62,25.29) v1(95.62,24.29) v1(95.62,23.29) v1(95.62,22.29) v1(95.89,75.44) v1(95.89,72.9) v1(95.9,12.15) v1(95.97,16.72) v1(95.97,13.72) v1(96.15,96.29) v1(96.15,93.29) v1(96.15,90.29) v1(96.15,87.29) v1(96.15,84.29) v1(96.15,81.29) v1(96.15,78.29) v1(96.12,45.98) v1(96.12,44.96) v1(96.13,9.26) v1(96.13,6.26) v1(96.13,3.26) v1(96.38,52.33) v1(96.38,49.28) v1(96.38,42.68) v1(96.31,40.52) v1(96.38,32.49) v1(96.38,29.49) v1(96.41,38.2) v1(96.41,35.2) v1(96.49,28.27) v1(96.49,25.27) v1(96.45,22.56) v1(96.45,19.56) v1(96.6,0.6) v1(96.62,99.47) v1(96.64,76.94) v1(96.64,74.4) v1(96.63,50.8) v1(96.66,41.79) v1(96.81,18.18) v1(96.81,15.18) v1(96.88,10.76) v1(96.88,7.76) v1(96.88,4.76) v1(96.88,1.76) v1(96.9,97.79) v1(96.9,94.79) v1(96.9,91.79) v1(96.9,88.79) v1(96.9,85.79) v1(96.9,82.79) v1(96.9,79.79) v1(96.91,70.48) v1(96.91,67.48) v1(96.91,64.48) v1(96.91,61.48) v1(96.91,58.48) v1(97.06,39.02) v1(97.14,47.25) v1(97.2,43.44) v1(97.16,36.7) v1(97.16,33.7) v1(97.13,30.99) v1(97.24,26.77) v1(97.24,23.77) v1(97.2,21.06) v1(97.29,12.2) v1(97.39,75.44) v1(97.39,72.9) v1(97.37,16.77) v1(97.37,13.77) v1(97.41,57.13) v1(97.41,54.59) v1(97.6,0.6) v1(97.62,99.47) v1(97.65,96.29) v1(97.65,93.29) v1(97.65,90.29) v1(97.65,87.29) v1(97.65,84.29) v1(97.65,81.29) v1(97.65,78.29) v1(97.66,68.98) v1(97.66,65.98) v1(97.66,62.98) v1(97.66,59.98) v1(97.66,41.79) v1(97.63,9.26) v1(97.63,6.26) v1(97.63,3.26) v1(97.81,40.52) v1(97.88,32.49) v1(97.88,29.49) v1(97.9,51.31) v1(97.9,48.77) v1(97.91,38.2) v1(97.91,35.2) v1(97.99,28.27) v1(97.99,25.27) v1(97.95,22.56) v1(97.95,19.56) v1(97.93,18.23) v1(97.93,15.23) v1(98.16,55.63) v1(98.16,53.09) v1(98.16,42.68) v1(98.38,10.76) v1(98.38,7.76) v1(98.38,4.76) v1(98.38,1.76) v1(98.41,70.48) v1(98.41,67.48) v1(98.41,64.48) v1(98.41,61.48) v1(98.41,58.48) v1(98.41,46.49) v1(98.41,45.47) v1(98.41,44.2) v1(98.49,16.82) v1(98.49,13.82) v1(98.41,12.25) v1(98.56,39.02) v1(98.6,0.6) v1(98.62,99.47) v1(98.66,41.79) v1(98.66,36.7) v1(98.66,33.7) v1(98.63,30.99) v1(98.74,26.77) v1(98.74,23.77) v1(98.7,21.06) v1(99.47,99.45) v1(99.47,98.45) v1(99.47,97.45) v1(99.47,96.45) v1(99.47,95.45) v1(99.47,94.45) v1(99.47,93.45) v1(99.47,92.45) v1(99.47,91.45) v1(99.47,90.45) v1(99.47,89.45) v1(99.47,88.45) v1(99.47,87.45) v1(99.47,86.45) v1(99.47,85.45) v1(99.47,84.45) v1(99.47,83.45) v1(99.47,82.45) v1(99.47,81.45) v1(99.47,80.45) v1(99.47,79.45) v1(99.47,78.45) v1(99.47,77.45) v1(99.47,76.45) v1(99.47,75.45) v1(99.47,74.45) v1(99.47,73.45) v1(99.47,72.45) v1(99.47,71.45) v1(99.47,70.45) v1(99.47,69.45) v1(99.47,68.45) v1(99.47,67.45) v1(99.47,66.45) v1(99.47,65.45) v1(99.47,64.45) v1(99.47,63.45) v1(99.47,62.45) v1(99.47,61.45) v1(99.47,60.45) v1(99.47,59.45) v1(99.47,58.45) v1(99.47,57.45) v1(99.47,56.45) v1(99.47,55.45) v1(99.47,54.45) v1(99.47,53.45) v1(99.47,52.45) v1(99.47,51.45) v1(99.47,50.45) v1(99.47,49.45) v1(99.47,48.45) v1(99.47,47.45) v1(99.47,46.45) v1(99.47,45.45) v1(99.47,44.45) v1(99.47,43.45) v1(99.47,42.58) v1(99.43,41.53) v1(99.43,40.53) v1(99.43,39.53) v1(99.43,38.53) v1(99.43,37.53) v1(99.43,36.53) v1(99.43,35.53) v1(99.43,34.53) v1(99.43,33.53) v1(99.43,32.53) v1(99.43,31.53) v1(99.43,30.53) v1(99.43,29.53) v1(99.43,28.53) v1(99.43,27.53) v1(99.43,26.53) v1(99.43,25.53) v1(99.43,24.53) v1(99.43,23.53) v1(99.43,22.53) v1(99.43,21.53) v1(99.43,20.53) v1(99.43,19.53) v1(99.43,18.53) v1(99.43,17.53) v1(99.43,16.53) v1(99.43,15.53) v1(99.43,14.53) v1(99.43,13.53) v1(99.43,12.53) v1(99.43,11.53) v1(99.43,10.53) v1(99.43,9.53) v1(99.43,8.53) v1(99.43,7.53) v1(99.43,6.53) v1(99.43,5.53) v1(99.43,4.53) v1(99.43,3.53) v1(99.43,2.53) v1(99.43,1.53) v1(99.45,0.58)
